# KiCad board Boston-keyboard-V08JHA.kicad_pcb
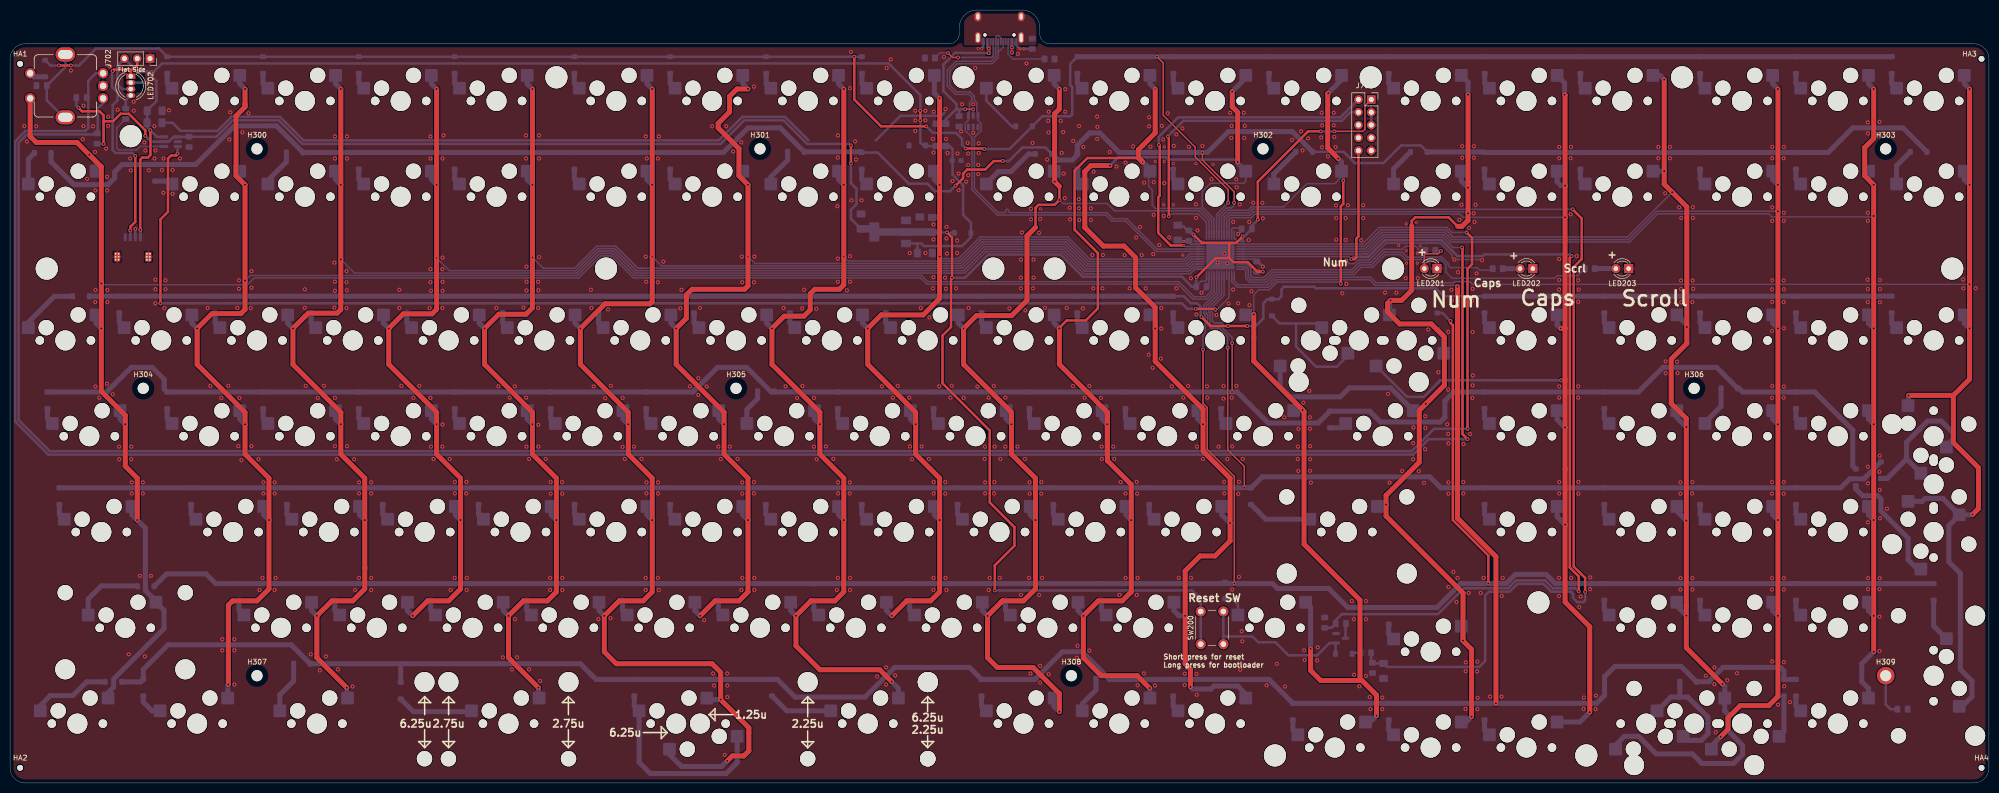
[diagram p0: board, top side]
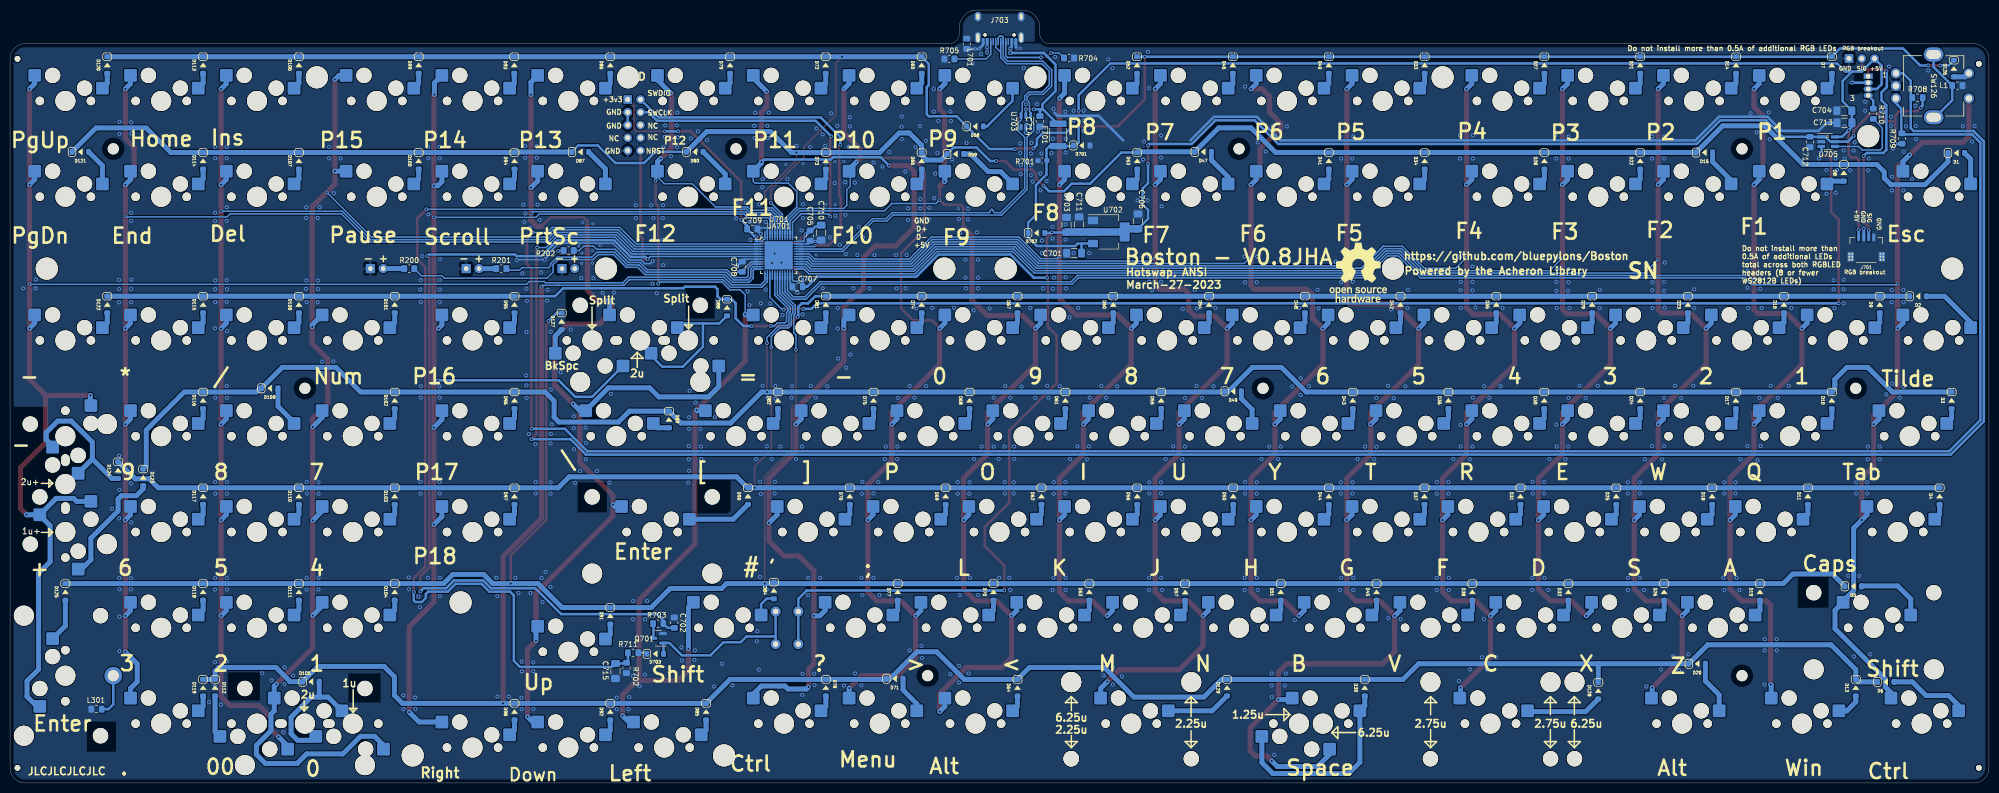
[diagram p1: board, bottom side, seen from below]

Outline 393.48 x 153.7 mm; copper layers: Top, Bottom. Coordinates in mm from the lower left corner of the outline.
Outline path: 0,144 0,3 arc(0.88,0.88) 3,0 390.48,0 arc(392.6,0.88) 393.48,3 393.48,144 arc(392.6,146.12) 390.48,147 206.74,147 arc(205.32,147.59) 204.74,149 204.74,150.2 arc(203.71,152.67) 201.24,153.7 192.24,153.7 arc(189.76,152.67) 188.74,150.2 188.74,149 arc(188.15,147.59) 186.74,147 3,147 arc(0.88,146.12) 0,144
Stack: Top 0.035mm / dielectric 1.51mm FR4 er 4.5 / Bottom 0.035mm

## Placement (name value [footprint] x y rotation side)
C701  10uF  [C_1206_3216Metric_Pad1.42x1.75mm_HandSolder]  181.9 105.38 0 bottom
C702  100nF  [C_0805_2012Metric_Pad1.15x1.40mm_HandSolder]  261.4 31.88 90 bottom
C703  10uF  [C_1206_3216Metric_Pad1.42x1.75mm_HandSolder]  183.4 110.97 90 bottom
C704  10uF  [C_1206_3216Metric_Pad1.42x1.75mm_HandSolder]  28.75 133.68 0 bottom
C705  100nF  [C_0805_2012Metric_Pad1.15x1.40mm_HandSolder]  234.4 108.84 270 bottom
C706  10uF  [C_1206_3216Metric_Pad1.42x1.75mm_HandSolder]  169.2 111.67 90 bottom
C707  100nF  [C_0805_2012Metric_Pad1.15x1.40mm_HandSolder]  236.9 98.67 0 bottom
C708  100nF  [C_0805_2012Metric_Pad1.15x1.40mm_HandSolder]  247.9 102.67 90 bottom
C709  100nF  [C_0805_2012Metric_Pad1.15x1.40mm_HandSolder]  245.89 110.18 180 bottom
C710  10uF  [C_1206_3216Metric_Pad1.42x1.75mm_HandSolder]  232.2 109.43 270 bottom
C711  10uF  [C_1206_3216Metric_Pad1.42x1.75mm_HandSolder]  180.9 111.08 90 bottom
C712  100nF  [C_0805_2012Metric_Pad1.15x1.40mm_HandSolder]  35.6 127.47 270 bottom
C713  10uF  [C_1206_3216Metric_Pad1.42x1.75mm_HandSolder]  28.72 131.28 0 bottom
C714  4.7nF  [C_0805_2012Metric_Pad1.18x1.45mm_HandSolder]  188.7 131.57 270 bottom
C715  10uF  [C_1206_3216Metric_Pad1.42x1.75mm_HandSolder]  273.1 22.28 270 bottom
D1  1N4148  [D_SOD-123]  6.5 125.28 180 bottom
D2  1N4148  [D_SOD-123]  14.1 96.78 180 bottom
D3  1N4148  [D_SOD-123]  7.43 76.09 270 bottom
D4  1N4148  [D_SOD-123]  9.81 57.04 270 bottom
D5  1N4148  [D_SOD-123]  27 39.1 180 bottom
D6  1N4148  [D_SOD-123]  20.53 20.1 180 bottom
D7  1N4148  [D_SOD-123]  31.24 142.77 270 bottom
D8  1N4148  [D_SOD-123]  28.86 121.34 270 bottom
D9  1N4148  [D_SOD-123]  21.72 95.14 270 bottom
D10  1N4148  [D_SOD-123]  31.24 76.09 270 bottom
D11  1N4148  [D_SOD-123]  36 57.04 270 bottom
D13  1N4148  [D_SOD-123]  26.48 18.94 270 bottom
D14  1N4148  [D_SOD-123]  50.29 142.77 270 bottom
D15  1N4148  [D_SOD-123]  56.6 125.38 180 bottom
D16  1N4148  [D_SOD-123]  40.77 95.14 270 bottom
D17  1N4148  [D_SOD-123]  50.33 76.09 270 bottom
D18  1N4148  [D_SOD-123]  55.05 57.04 270 bottom
D19  1N4148  [D_SOD-123]  45.53 37.99 270 bottom
D20  1N4148  [D_SOD-123]  58.03 23.71 180 bottom
D21  1N4148  [D_SOD-123]  69.34 142.77 270 bottom
D22  1N4148  [D_SOD-123]  69.34 123.72 270 bottom
D23  1N4148  [D_SOD-123]  59.85 95.14 270 bottom
D24  1N4148  [D_SOD-123]  69.34 76.09 270 bottom
D25  1N4148  [D_SOD-123]  74.1 57.04 270 bottom
D26  1N4148  [D_SOD-123]  64.58 37.99 270 bottom
D27  1N4148  [D_SOD-123]  88.39 142.77 270 bottom
D28  1N4148  [D_SOD-123]  88.39 123.72 270 bottom
D29  1N4148  [D_SOD-123]  78.9 95.14 270 bottom
D30  1N4148  [D_SOD-123]  88.43 76.09 270 bottom
D31  1N4148  [D_SOD-123]  93.15 57.04 270 bottom
D32  1N4148  [D_SOD-123]  83.63 37.99 270 bottom
D33  1N4148  [D_SOD-123]  112.2 142.77 270 bottom
D34  1N4148  [D_SOD-123]  112.2 123.72 270 bottom
D35  1N4148  [D_SOD-123]  97.95 95.14 270 bottom
D36  1N4148  [D_SOD-123]  107.48 76.09 270 bottom
D37  1N4148  [D_SOD-123]  112.24 57.04 270 bottom
D38  1N4148  [D_SOD-123]  102.72 37.99 270 bottom
D39  1N4148  [D_SOD-123]  124.11 18.94 270 bottom
D40  1N4148  [D_SOD-123]  131.25 142.77 270 bottom
D41  1N4148  [D_SOD-123]  131.25 123.72 270 bottom
D42  1N4148  [D_SOD-123]  117 95.14 270 bottom
D43  1N4148  [D_SOD-123]  126.49 76.09 270 bottom
D44  1N4148  [D_SOD-123]  131.25 57.04 270 bottom
D45  1N4148  [D_SOD-123]  121.77 37.99 270 bottom
D46  1N4148  [D_SOD-123]  150.34 142.77 270 bottom
D47  1N4148  [D_SOD-123]  156.26 125.5 180 bottom
D48  1N4148  [D_SOD-123]  136.02 95.14 270 bottom
D49  1N4148  [D_SOD-123]  150.3 77.88 180 bottom
D50  1N4148  [D_SOD-123]  150.27 57.04 270 bottom
D51  1N4148  [D_SOD-123]  140.82 37.99 270 bottom
D52  1N4148  [D_SOD-123]  169.39 142.77 270 bottom
D53  1N4148  [D_SOD-123]  169.35 123.72 270 bottom
D54  1N4148  [D_SOD-123]  155.07 95.14 270 bottom
D55  1N4148  [D_SOD-123]  164.59 76.09 270 bottom
D56  1N4148  [D_SOD-123]  169.35 57.04 270 bottom
D57  1N4148  [D_SOD-123]  159.83 37.95 270 bottom
D58  1N4148  [D_SOD-123]  201.6 130.57 180 bottom
D59  1N4148  [D_SOD-123]  205.5 125.08 180 bottom
D60  1N4148  [D_SOD-123]  174.12 95.14 270 bottom
D61  1N4148  [D_SOD-123]  183.64 76.09 270 bottom
D62  1N4148  [D_SOD-123]  188.4 57.04 270 bottom
D63  1N4148  [D_SOD-123]  178.88 37.99 270 bottom
D64  1N4148  [D_SOD-123]  193.17 18.94 270 bottom
D65  1N4148  [D_SOD-123]  212.22 142.77 270 bottom
D66  1N4148  [D_SOD-123]  212.22 123.72 270 bottom
D67  1N4148  [D_SOD-123]  193.17 95.14 270 bottom
D68  1N4148  [D_SOD-123]  202.69 76.09 270 bottom
D69  1N4148  [D_SOD-123]  207.45 57.04 270 bottom
D70  1N4148  [D_SOD-123]  197.93 37.99 270 bottom
D71  1N4148  [D_SOD-123]  217.57 20.73 180 bottom
D72  1N4148  [D_SOD-123]  231.3 142.77 270 bottom
D73  1N4148  [D_SOD-123]  231.27 123.72 270 bottom
D74  1N4148  [D_SOD-123]  212.22 95.14 270 bottom
D75  1N4148  [D_SOD-123]  221.78 76.09 270 bottom
D76  1N4148  [D_SOD-123]  226.5 57.04 270 bottom
D77  1N4148  [D_SOD-123]  216.98 37.99 270 bottom
D78  1N4148  [D_SOD-123]  231.27 18.94 270 bottom
D79  1N4148  [D_SOD-123]  250.32 142.77 270 bottom
D80  1N4148  [D_SOD-123]  257.32 125.5 180 bottom
D81  1N4148  [D_SOD-123]  231.27 95.14 270 bottom
D82  1N4148  [D_SOD-123]  240.79 76.09 270 bottom
D84  1N4148  [D_SOD-123]  241.6 38.28 270 bottom
D85  1N4148  [D_SOD-123]  255.08 14.18 270 bottom
D86  1N4148  [D_SOD-123]  274.13 142.77 270 bottom
D87  1N4148  [D_SOD-123]  280.1 125.47 180 bottom
D88  1N4148  [D_SOD-123]  250.91 94.55 270 bottom
D89  1N4148  [D_SOD-123]  262.46 72.28 270 bottom
D90  1N4148  [D_SOD-123]  246.74 57.04 270 bottom
D91  1N4148  [D_SOD-123]  274.13 33.23 270 bottom
D92  1N4148  [D_SOD-123]  274.13 14.18 270 bottom
D93  1N4148  [D_SOD-123]  293.22 142.77 270 bottom
D94  1N4148  [D_SOD-123]  293.18 123.72 270 bottom
D95  1N4148  [D_SOD-123]  293.18 95.14 270 bottom
D96  1N4148  [D_SOD-123]  293.18 76.09 270 bottom
D97  1N4148  [D_SOD-123]  293.18 57.04 270 bottom
D98  1N4148  [D_SOD-123]  293.18 14.18 270 bottom
D99  1N4148  [D_SOD-123]  312.23 142.77 270 bottom
D100  1N4148  [D_SOD-123]  312.23 123.72 270 bottom
D101  1N4148  [D_SOD-123]  316.99 95.14 270 bottom
D102  1N4148  [D_SOD-123]  316.99 76.09 270 bottom
D103  1N4148  [D_SOD-123]  316.99 57.04 270 bottom
D104  1N4148  [D_SOD-123]  316.99 37.99 270 bottom
D105  1N4148  [D_SOD-123]  333.66 20.13 180 bottom
D106  1N4148  [D_SOD-123]  336.04 142.77 270 bottom
D107  1N4148  [D_SOD-123]  336.04 123.72 270 bottom
D108  1N4148  [D_SOD-123]  336.04 95.14 270 bottom
D109  1N4148  [D_SOD-123]  341.86 78.47 180 bottom
D110  1N4148  [D_SOD-123]  336.04 57.04 270 bottom
D111  1N4148  [D_SOD-123]  336.04 37.99 270 bottom
D112  1N4148  [D_SOD-123]  352.71 18.94 270 bottom
D113  1N4148  [D_SOD-123]  355.09 142.77 270 bottom
D114  1N4148  [D_SOD-123]  355.09 123.72 270 bottom
D115  1N4148  [D_SOD-123]  355.09 95.14 270 bottom
D116  1N4148  [D_SOD-123]  355.09 76.09 270 bottom
D117  1N4148  [D_SOD-123]  355.09 57.04 270 bottom
D118  1N4148  [D_SOD-123]  355.09 37.99 270 bottom
D119  1N4148  [D_SOD-123]  355.09 18.94 270 bottom
D120  1N4148  [D_SOD-123]  374.14 142.77 270 bottom
D121  1N4148  [D_SOD-123]  379.5 125.5 180 bottom
D122  1N4148  [D_SOD-123]  374.14 95.14 270 bottom
D123  1N4148  [D_SOD-123]  367 60.78 270 bottom
D124  1N4148  [D_SOD-123]  372 62.2 270 bottom
D125  1N4148  [D_SOD-123]  382.48 37.99 270 bottom
D126  1N4148  [D_SOD-123]  6.98 142.07 270 bottom
D127  1N4148  [D_SOD-123]  283.8 91.8 270 bottom
D128  1N4148  [D_SOD-123]  77.68 18.35 270 bottom
D129  1N4148  [D_SOD-123]  151.49 18.94 270 bottom
D701  RB060M-60TR  [D_SOD-123]  180.4 126.78 180 bottom
D702  RB060M-60TR  [D_SOD-123]  189.4 109.38 180 bottom
D703  1N4148  [D_SOD-123]  265.2 25.68 180 bottom
F701  1.5A Polyfuse  [Fuse_1812_4532Metric_Pad1.30x3.40mm_HandSolder]  185.1 128.88 90 bottom
H300  MountingHole  [MountingHole_2.2mm_M2_ISO7380]  49.1 126.1 180 bottom
H301  MountingHole  [MountingHole_2.2mm_M2_ISO7380]  149.11 126.1 0 top
H302  MountingHole  [MountingHole_2.2mm_M2_ISO7380]  249.13 126.1 0 top
H303  MountingHole  [MountingHole_2.2mm_M2_ISO7380]  372.95 126.1 0 top
H304  MountingHole  [MountingHole_2.2mm_M2_ISO7380]  26.48 78.47 0 top
H305  MountingHole  [MountingHole_2.2mm_M2_ISO7380]  144.35 78.47 0 top
H306  MountingHole  [MountingHole_2.2mm_M2_ISO7380]  334.85 78.47 0 top
H307  MountingHole  [MountingHole_2.2mm_M2_ISO7380]  49.1 21.32 0 top
H308  MountingHole  [MountingHole_2.2mm_M2_ISO7380]  211.03 21.32 0 top
H309  MountingHole_Pad  [MountingHole_2.2mm_M2_ISO7380_Pad]  372.95 21.32 0 top
H401  MountingHole  [Access-hole-4.4mm]  24 128.62 180 bottom
H402  MountingHole  [Access-hole-4.4mm]  108.63 140.32 180 bottom
H403  MountingHole  [Access-hole-4.4mm]  189.59 140.32 180 bottom
H404  MountingHole  [Access-hole-4.4mm]  270.56 140.32 180 bottom
H405  MountingHole  [Access-hole-4.4mm]  332.47 140.32 180 bottom
H406  MountingHole  [Access-hole-4.4mm]  7.3 102.29 180 bottom
H407  MountingHole  [Access-hole-4.4mm]  195.5 102.29 180 bottom
H408  MountingHole  [Access-hole-4.4mm]  207.7 102.29 180 bottom
H409  MountingHole  [Access-hole-4.4mm]  386.17 102.29 180 bottom
H410  MountingHole  [Access-hole-4.4mm]  303.89 35.9 180 bottom
H411  MountingHole  [Access-hole-4.4mm]  251.51 5.47 180 bottom
H412  MountingHole  [Access-hole-4.4mm]  313.42 5.47 180 bottom
H413  MountingHole  [Access-hole-4.4mm]  118.5 102.29 0 top
H414  MountingHole  [Access-hole-4.4mm]  275 102.29 0 top
HA1  MountingHole  [ToolingHole_1.152mm_(for_JLCPCB_SMT)]  2 143 0 top
HA2  MountingHole  [ToolingHole_1.152mm_(for_JLCPCB_SMT)]  2 3 0 top
HA3  MountingHole  [ToolingHole_1.152mm_(for_JLCPCB_SMT)]  392 144 0 top
HA4  MountingHole  [ToolingHole_1.152mm_(for_JLCPCB_SMT)]  392 3 0 top
J701  Conn_01x04_MountingPin  [SM04B-SRSS-TB(LF)(SN)_mounting-reliefs]  24.4 107.72 180 bottom
J702  Conn_01x03  [PinSocket_1x03_P2.54mm_Vertical]  27.83 144.05 270 top
J703  TYPE-C-31-M12_13  [TYPE-C-31-M-12]  196.74 146.7 0 bottom
J706  Conn_ARM_JTAG_SWD_10  [PinSocket_2x05_P2.54mm_Vertical]  270.66 135.91 0 top
L1  60R @ 100MHz  [L_0805_2012Metric_Pad1.15x1.40mm_HandSolder]  6.27 138.68 180 bottom
L301  60R @ 100MHz  [L_0805_2012Metric_Pad1.15x1.40mm_HandSolder]  376.3 14.68 0 bottom
L701  L_Core_Ferrite  [L_0805_2012Metric_Pad1.15x1.40mm_HandSolder]  203.25 147 270 bottom
LED201  LED  [LED_D3.0mm_Clear]  283.73 102.29 180 top
LED202  LED  [LED_D3.0mm_Clear]  302.78 102.29 180 top
LED203  LED  [LED_D3.0mm_Clear]  321.83 102.29 180 top
LED702  NeoPixel_THT  [LED_D5.0mm-4_RGB]  24 140.53 270 top
LOGO2  Logo_Open_Hardware_Large  [OSHW-Logo_11.4x12mm_SilkScreen]  125.4 101.47 180 bottom
Q701  DTC123J  [SOT-23]  264.6 28.78 0 bottom
R200  1k  [R_0805_2012Metric_Pad1.20x1.40mm_HandSolder]  314.1 102.28 180 bottom
R201  1k  [R_0805_2012Metric_Pad1.20x1.40mm_HandSolder]  295.8 102.28 180 bottom
R202  1k  [R_0805_2012Metric_Pad1.20x1.40mm_HandSolder]  282.4 105.88 180 bottom
R701  100k  [R_0603_1608Metric_Pad1.05x0.95mm_HandSolder]  188.2 123.78 180 bottom
R702  1M  [R_0805_2012Metric_Pad1.15x1.40mm_HandSolder]  270.9 22.88 90 bottom
R703  100  [R_0805_2012Metric_Pad1.15x1.40mm_HandSolder]  264.6 31.68 0 bottom
R704  5.1k  [R_0805_2012Metric_Pad1.20x1.40mm_HandSolder]  182.9 144.18 0 bottom
R705  5.1k  [R_0805_2012Metric_Pad1.20x1.40mm_HandSolder]  206.7 143.97 180 bottom
R708  10k  [R_0805_2012Metric_Pad1.15x1.40mm_HandSolder]  14.2 136.28 180 bottom
R709  10k  [R_0805_2012Metric_Pad1.15x1.40mm_HandSolder]  17.3 128.15 270 bottom
R710  100  [R_0805_2012Metric_Pad1.15x1.40mm_HandSolder]  23 133.07 270 bottom
R711  330k  [R_0805_2012Metric_Pad1.15x1.40mm_HandSolder]  269.6 25.88 180 bottom
SW1  MXSwitch  [MX100H]  11 116.58 180 bottom
SW2  MXSwitch  [MX100H]  11 88 180 bottom
SW3  MXSwitch  [MX150H]  15.76 68.95 180 bottom
SW4  MXSwitch  [MX175H]  18.14 49.9 180 bottom
SW5  MXSwitch  [MX225H]  22.91 30.85 180 bottom
SW6  MXSwitch  [MX125H]  13.38 11.8 180 bottom
SW7  MXSwitch  [MX100H]  39.58 135.62 180 bottom
SW8  MXSwitch  [MX100H]  39.58 116.58 180 bottom
SW9  MXSwitch  [MX100H]  30.05 88 180 bottom
SW10  MXSwitch  [MX100H]  39.58 68.95 180 bottom
SW11  MXSwitch  [MX100H]  44.34 49.9 180 bottom
SW13  MXSwitch  [MX125H]  37.19 11.8 180 bottom
SW14  MXSwitch  [MX100H]  58.62 135.62 180 bottom
SW15  MXSwitch  [MX100H]  58.62 116.58 180 bottom
SW16  MXSwitch  [MX100H]  49.1 88 180 bottom
SW17  MXSwitch  [MX100H]  58.62 68.95 180 bottom
SW18  MXSwitch  [MX100H]  63.39 49.9 180 bottom
SW19  MXSwitch  [MX100H]  53.86 30.85 180 bottom
SW20  MXSwitch  [MX125H]  61.01 11.8 180 bottom
SW21  MXSwitch  [MX100H]  77.68 135.62 180 bottom
SW22  MXSwitch  [MX100H]  77.68 116.58 180 bottom
SW23  MXSwitch  [MX100H]  68.15 88 180 bottom
SW24  MXSwitch  [MX100H]  77.68 68.95 180 bottom
SW25  MXSwitch  [MX100H]  82.44 49.9 180 bottom
SW26  MXSwitch  [MX100H]  72.91 30.85 180 bottom
SW27  MXSwitch  [MX100H]  96.72 135.62 180 bottom
SW28  MXSwitch  [MX100H]  96.72 116.58 180 bottom
SW29  MXSwitch  [MX100H]  87.2 88 180 bottom
SW30  MXSwitch  [MX100H]  96.72 68.95 180 bottom
SW31  MXSwitch  [MX100H]  101.49 49.9 180 bottom
SW32  MXSwitch  [MX100H]  91.96 30.85 180 bottom
SW33  MXSwitch  [MX100H]  120.54 135.62 180 bottom
SW34  MXSwitch  [MX100H]  120.54 116.58 180 bottom
SW35  MXSwitch  [MX100H]  106.25 88 180 bottom
SW36  MXSwitch  [MX100H]  115.78 68.95 180 bottom
SW37  MXSwitch  [MX100H]  120.54 49.9 180 bottom
SW38  MXSwitch  [MX100H]  111.01 30.85 180 bottom
SW39-1  MXSwitch  [MX625HR]  132.44 11.8 180 bottom
SW39-2  MXSwitch  [MX125H]  137.21 11.8 0 bottom
SW40  MXSwitch  [MX100H]  139.59 135.62 180 bottom
SW41  MXSwitch  [MX100H]  139.59 116.58 180 bottom
SW42  MXSwitch  [MX100H]  125.3 88 180 bottom
SW43  MXSwitch  [MX100H]  134.82 68.95 180 bottom
SW44  MXSwitch  [MX100H]  139.59 49.9 180 bottom
SW45  MXSwitch  [MX100H]  130.06 30.85 180 bottom
SW46  MXSwitch  [MX100H]  158.64 135.62 180 bottom
SW47  MXSwitch  [MX100H]  158.64 116.58 180 bottom
SW48  MXSwitch  [MX100H]  144.35 88 180 bottom
SW49  MXSwitch  [MX100H]  153.88 68.95 180 bottom
SW50  MXSwitch  [MX100H]  158.64 49.9 180 bottom
SW51  MXSwitch  [MX100H]  149.11 30.85 180 bottom
SW52  MXSwitch  [MX100H]  177.69 135.62 180 bottom
SW53  MXSwitch  [MX100H]  177.69 116.58 180 bottom
SW54  MXSwitch  [MX100H]  163.4 88 180 bottom
SW55  MXSwitch  [MX100H]  172.93 68.95 180 bottom
SW56  MXSwitch  [MX100H]  177.69 49.9 180 bottom
SW57  MXSwitch  [MX100H]  168.16 30.85 180 bottom
SW58  MXSwitch  [MX100H]  201.5 135.62 180 bottom
SW59  MXSwitch  [MX100H]  201.5 116.58 180 bottom
SW60  MXSwitch  [MX100H]  182.45 88 180 bottom
SW61  MXSwitch  [MX100H]  191.97 68.95 180 bottom
SW62  MXSwitch  [MX100H]  196.74 49.9 180 bottom
SW63  MXSwitch  [MX100H]  187.21 30.85 180 bottom
SW64  MXSwitch  [MX100H]  201.5 11.8 180 bottom
SW65  MXSwitch  [MX100H]  220.55 135.62 180 bottom
SW66  MXSwitch  [MX100H]  220.55 116.58 180 bottom
SW67  MXSwitch  [MX100H]  201.5 88 180 bottom
SW68  MXSwitch  [MX100H]  211.02 68.95 180 bottom
SW69  MXSwitch  [MX100H]  215.79 49.9 180 bottom
SW70  MXSwitch  [MX100H]  206.26 30.85 180 bottom
SW71  MXSwitch  [MX100H]  220.55 11.8 180 bottom
SW72  MXSwitch  [MX100H]  239.6 135.62 180 bottom
SW73  MXSwitch  [MX100H]  239.6 116.58 180 bottom
SW74  MXSwitch  [MX100H]  220.55 88 180 bottom
SW75  MXSwitch  [MX100H]  230.07 68.95 180 bottom
SW76  MXSwitch  [MX100H]  234.84 49.9 180 bottom
SW77  MXSwitch  [MX100H]  225.31 30.85 180 bottom
SW78  MXSwitch  [MX100H]  239.6 11.8 180 bottom
SW79  MXSwitch  [MX100H]  258.65 135.62 180 bottom
SW80  MXSwitch  [MX100H]  258.65 116.58 180 bottom
SW81  MXSwitch  [MX100H]  239.6 88 180 bottom
SW82  MXSwitch  [MX100H]  249.12 68.95 180 bottom
SW84  MXSwitch  [MX175H]  251.51 30.85 180 bottom
SW85  MXSwitch  [MX100H]  263.41 7.04 180 bottom
SW86  MXSwitch  [MX100H]  282.46 135.62 180 bottom
SW87  MXSwitch  [MX100H]  282.46 116.58 180 bottom
SW88-1  MXSwitch  [MX200H]  268.18 88 180 bottom
SW88-2  MXSwitch  [MX100H]  258.65 88 0 bottom
SW89  MXSwitch  [MX150H]  272.94 68.95 180 bottom
SW90  MXSwitch  [MX225H]  265.79 49.9 180 bottom
SW91  MXSwitch  [MX100H]  282.46 26.09 180 bottom
SW92  MXSwitch  [MX100H]  282.46 7.04 180 bottom
SW93  MXSwitch  [MX100H]  301.51 135.62 180 bottom
SW94  MXSwitch  [MX100H]  301.51 116.58 180 bottom
SW95  MXSwitch  [MX100H]  301.51 88 180 bottom
SW96  MXSwitch  [MX100H]  301.51 68.95 180 bottom
SW97  MXSwitch  [MX100H]  301.51 49.9 180 bottom
SW98  MXSwitch  [MX100H]  301.51 7.04 180 bottom
SW99  MXSwitch  [MX100H]  320.56 135.62 180 bottom
SW100  MXSwitch  [MX100H]  320.56 116.58 180 bottom
SW101  MXSwitch  [MX100H]  325.32 88 180 bottom
SW102  MXSwitch  [MX100H]  325.32 68.95 180 bottom
SW103  MXSwitch  [MX100H]  325.32 49.9 180 bottom
SW104  MXSwitch  [MX100H]  325.32 30.85 180 bottom
SW105-1  MXSwitch  [MX200H]  334.85 11.8 180 bottom
SW105-2  MXSwitch  [MX100H]  325.32 11.8 0 bottom
SW106  MXSwitch  [MX100H]  344.38 135.62 180 bottom
SW107  MXSwitch  [MX100H]  344.38 116.58 180 bottom
SW108  MXSwitch  [MX100H]  344.38 88 180 bottom
SW109  MXSwitch  [MX100H]  344.38 68.95 180 bottom
SW110  MXSwitch  [MX100H]  344.38 49.9 180 bottom
SW111  MXSwitch  [MX100H]  344.38 30.85 180 bottom
SW112  MXSwitch  [MX100H]  344.38 11.8 0 bottom
SW113  MXSwitch  [MX100H]  363.43 135.62 180 bottom
SW114  MXSwitch  [MX100H]  363.43 116.58 180 bottom
SW115  MXSwitch  [MX100H]  363.43 88 180 bottom
SW116  MXSwitch  [MX100H]  363.43 68.95 180 bottom
SW117  MXSwitch  [MX100H]  363.43 49.9 180 bottom
SW118  MXSwitch  [MX100H]  363.43 30.85 180 bottom
SW119  MXSwitch  [MX100H]  363.43 11.8 180 bottom
SW120  MXSwitch  [MX100H]  382.48 135.62 180 bottom
SW121  MXSwitch  [MX100H]  382.48 116.58 180 bottom
SW122  MXSwitch  [MX100H]  382.48 88 180 bottom
SW123  MXSwitch  [MX100H]  382.48 49.9 270 bottom
SW124-1  MXSwitch  [MX200H]  382.48 59.42 90 bottom
SW124-2  MXSwitch  [MX100H]  382.48 68.95 270 bottom
SW125  MXSwitch  [MX200HR]  382.48 21.32 90 bottom
SW126  Rotary_Encoder_Switch_Chassis  [ALPS_EC11E]  11 138.62 270 bottom
SW127  MXSwitch  [MX100H]  277.7 88 0 bottom
SW128  MXSwitch  [MX275HR]  99.11 11.8 180 bottom
SW129  MXSwitch  [MX225HR]  170.54 11.8 180 bottom
SW200  SW_Push  [SW_PUSH_6mm_H5mm]  236.75 27.6 90 top
U701  STM32F072CBTx  [LQFP-48_7x7mm_P0.5mm]  240.65 104.93 180 bottom
U702  TLV1117-33  [SOT-223-3_TabPin2]  175 109.58 180 bottom
U703  SRV05-4  [SOT-23-6]  191.5 131.57 90 bottom
U705  SN74LVC1T45DCK  [SOT-23-6_Handsoldering]  32 127.53 180 bottom
UA701  STM32F072CBUx  [QFN-48-1EP_7x7mm_P0.5mm_EP5.6x5.6mm]  240.65 104.93 180 bottom

## Footprints (pads in the part's own frame, mm; a bottom-side part is the same pattern mirrored in y, then rotated)
Access-hole-4.4mm
  round 4.4 hole 4.4 unplated: (0,0)
ALPS_EC11E
  oval 1.651x2.769 smd: (-6.25,0) (6.25,0)
  round 1.016 smd: (-2.5,-7.5) (-2.5,7) (0,-7.5) (2.5,-7.5) (2.5,7)
  round 2.032 hole 1.27: A(-2.5,-7.5) B(2.5,-7.5) C(0,-7.5) S1(-2.5,7) S2(2.5,7)
  oval 2.8x3.9 hole 1.8x2.9: S(-6.25,0) S(6.25,0)
C_0805_2012Metric_Pad1.15x1.40mm_HandSolder
  rrect 1.15x1.4 smd: 1(-1.025,0) 2(1.025,0)
C_0805_2012Metric_Pad1.18x1.45mm_HandSolder
  rrect 1.175x1.45 smd: 1(-1.038,0) 2(1.038,0)
C_1206_3216Metric_Pad1.42x1.75mm_HandSolder
  rrect 1.425x1.75 smd: 1(-1.488,0) 2(1.488,0)
D_SOD-123
  rrect 1x1.2 smd: 1(-1.65,0) 2(1.65,0)
Fuse_1812_4532Metric_Pad1.30x3.40mm_HandSolder
  rrect 1.3x3.4 smd: 1(-2.225,0) 2(2.225,0)
L_0805_2012Metric_Pad1.15x1.40mm_HandSolder
  rrect 1.15x1.4 smd: 1(-1.025,0) 2(1.025,0)
LED_D3.0mm_Clear
  rect 1.8x1.8 hole 0.9: 1(0,0)
  round 1.8 hole 0.9: 2(2.54,0)
LED_D5.0mm-4_RGB
  rect 1.07x1.8 hole 0.9: 1(0,0)
  oval 1.07x1.8 hole 0.9: 2(1.27,0) 3(2.54,0) 4(3.81,0)
LQFP-48_7x7mm_P0.5mm
  rrect 1.475x0.3 smd: 1(-4.162,2.75) 2(-4.162,2.25) 3(-4.162,1.75) 4(-4.162,1.25) 5(-4.162,0.75) 6(-4.162,0.25) 7(-4.162,-0.25) 8(-4.162,-0.75) 9(-4.162,-1.25) 10(-4.162,-1.75) 11(-4.162,-2.25) 12(-4.162,-2.75) 25(4.162,-2.75) 26(4.162,-2.25) 27(4.162,-1.75) 28(4.162,-1.25) 29(4.162,-0.75) 30(4.162,-0.25) 31(4.162,0.25) 32(4.162,0.75) 33(4.162,1.25) 34(4.162,1.75) 35(4.162,2.25) 36(4.162,2.75)
  rrect 0.3x1.475 smd: 13(-2.75,-4.162) 14(-2.25,-4.162) 15(-1.75,-4.162) 16(-1.25,-4.162) 17(-0.75,-4.162) 18(-0.25,-4.162) 19(0.25,-4.162) 20(0.75,-4.162) 21(1.25,-4.162) 22(1.75,-4.162) 23(2.25,-4.162) 24(2.75,-4.162) 37(2.75,4.162) 38(2.25,4.162) 39(1.75,4.162) 40(1.25,4.162) 41(0.75,4.162) 42(0.25,4.162) 43(-0.25,4.162) 44(-0.75,4.162) 45(-1.25,4.162) 46(-1.75,4.162) 47(-2.25,4.162) 48(-2.75,4.162)
MountingHole_2.2mm_M2_ISO7380
  round 2.2 hole 2.2 unplated: (0,0)
MountingHole_2.2mm_M2_ISO7380_Pad
  round 3.5 hole 2.2: 1(0,0)
MX100H
  round 1.702 hole 1.702 unplated: (-5.08,0) (5.08,0)
  round 3.048 hole 3.048 unplated: (-2.54,5.08) (3.81,2.54)
  round 3.988 hole 3.988 unplated: (0,0)
  rrect 2.54x2.54 smd: 1(-6.096,5.08) 2(7.366,2.54)
MX125H
  round 1.702 hole 1.702 unplated: (-5.08,0) (5.08,0)
  round 3.048 hole 3.048 unplated: (-2.54,5.08) (3.81,2.54)
  round 3.988 hole 3.988 unplated: (0,0)
  rrect 2.54x2.54 smd: 1(-6.096,5.08) 2(7.366,2.54)
MX150H
  round 1.702 hole 1.702 unplated: (-5.08,0) (5.08,0)
  round 3.048 hole 3.048 unplated: (-2.54,5.08) (3.81,2.54)
  round 3.988 hole 3.988 unplated: (0,0)
  rrect 2.54x2.54 smd: 1(-6.096,5.08) 2(7.366,2.54)
MX175H
  round 1.702 hole 1.702 unplated: (-5.08,0) (5.08,0)
  round 3.048 hole 3.048 unplated: (-2.54,5.08) (3.81,2.54)
  round 3.988 hole 3.988 unplated: (0,0)
  rrect 2.54x2.54 smd: 1(-6.096,5.08) 2(7.366,2.54)
MX200H
  round 3.988 hole 3.988 unplated: (-11.938,-8.255) (0,0) (11.938,-8.255)
  round 3.048 hole 3.048 unplated: (-11.938,6.985) (-2.54,5.08) (3.81,2.54) (11.938,6.985)
  round 1.702 hole 1.702 unplated: (-5.08,0) (5.08,0)
  rrect 2.54x2.54 smd: 1(-6.096,5.08) 2(7.366,2.54)
MX200HR
  round 3.048 hole 3.048 unplated: (-11.938,-6.985) (-2.54,5.08) (3.81,2.54) (11.938,-6.985)
  round 3.988 hole 3.988 unplated: (-11.938,8.255) (0,0) (11.938,8.255)
  round 1.702 hole 1.702 unplated: (-5.08,0) (5.08,0)
  rrect 2.54x2.54 smd: 1(-6.096,5.08) 2(7.366,2.54)
MX225H
  round 3.988 hole 3.988 unplated: (-11.938,-8.255) (0,0) (11.938,-8.255)
  round 3.048 hole 3.048 unplated: (-11.938,6.985) (-2.54,5.08) (3.81,2.54) (11.938,6.985)
  round 1.702 hole 1.702 unplated: (-5.08,0) (5.08,0)
  rrect 2.54x2.54 smd: 1(-6.096,5.08) 2(7.366,2.54)
MX225HR
  round 3.048 hole 3.048 unplated: (-11.938,-6.985) (-2.54,5.08) (3.81,2.54) (11.938,-6.985)